# Altium PCB 1VAR_TOP.PcbDoc (part 1 of 4) (continued)
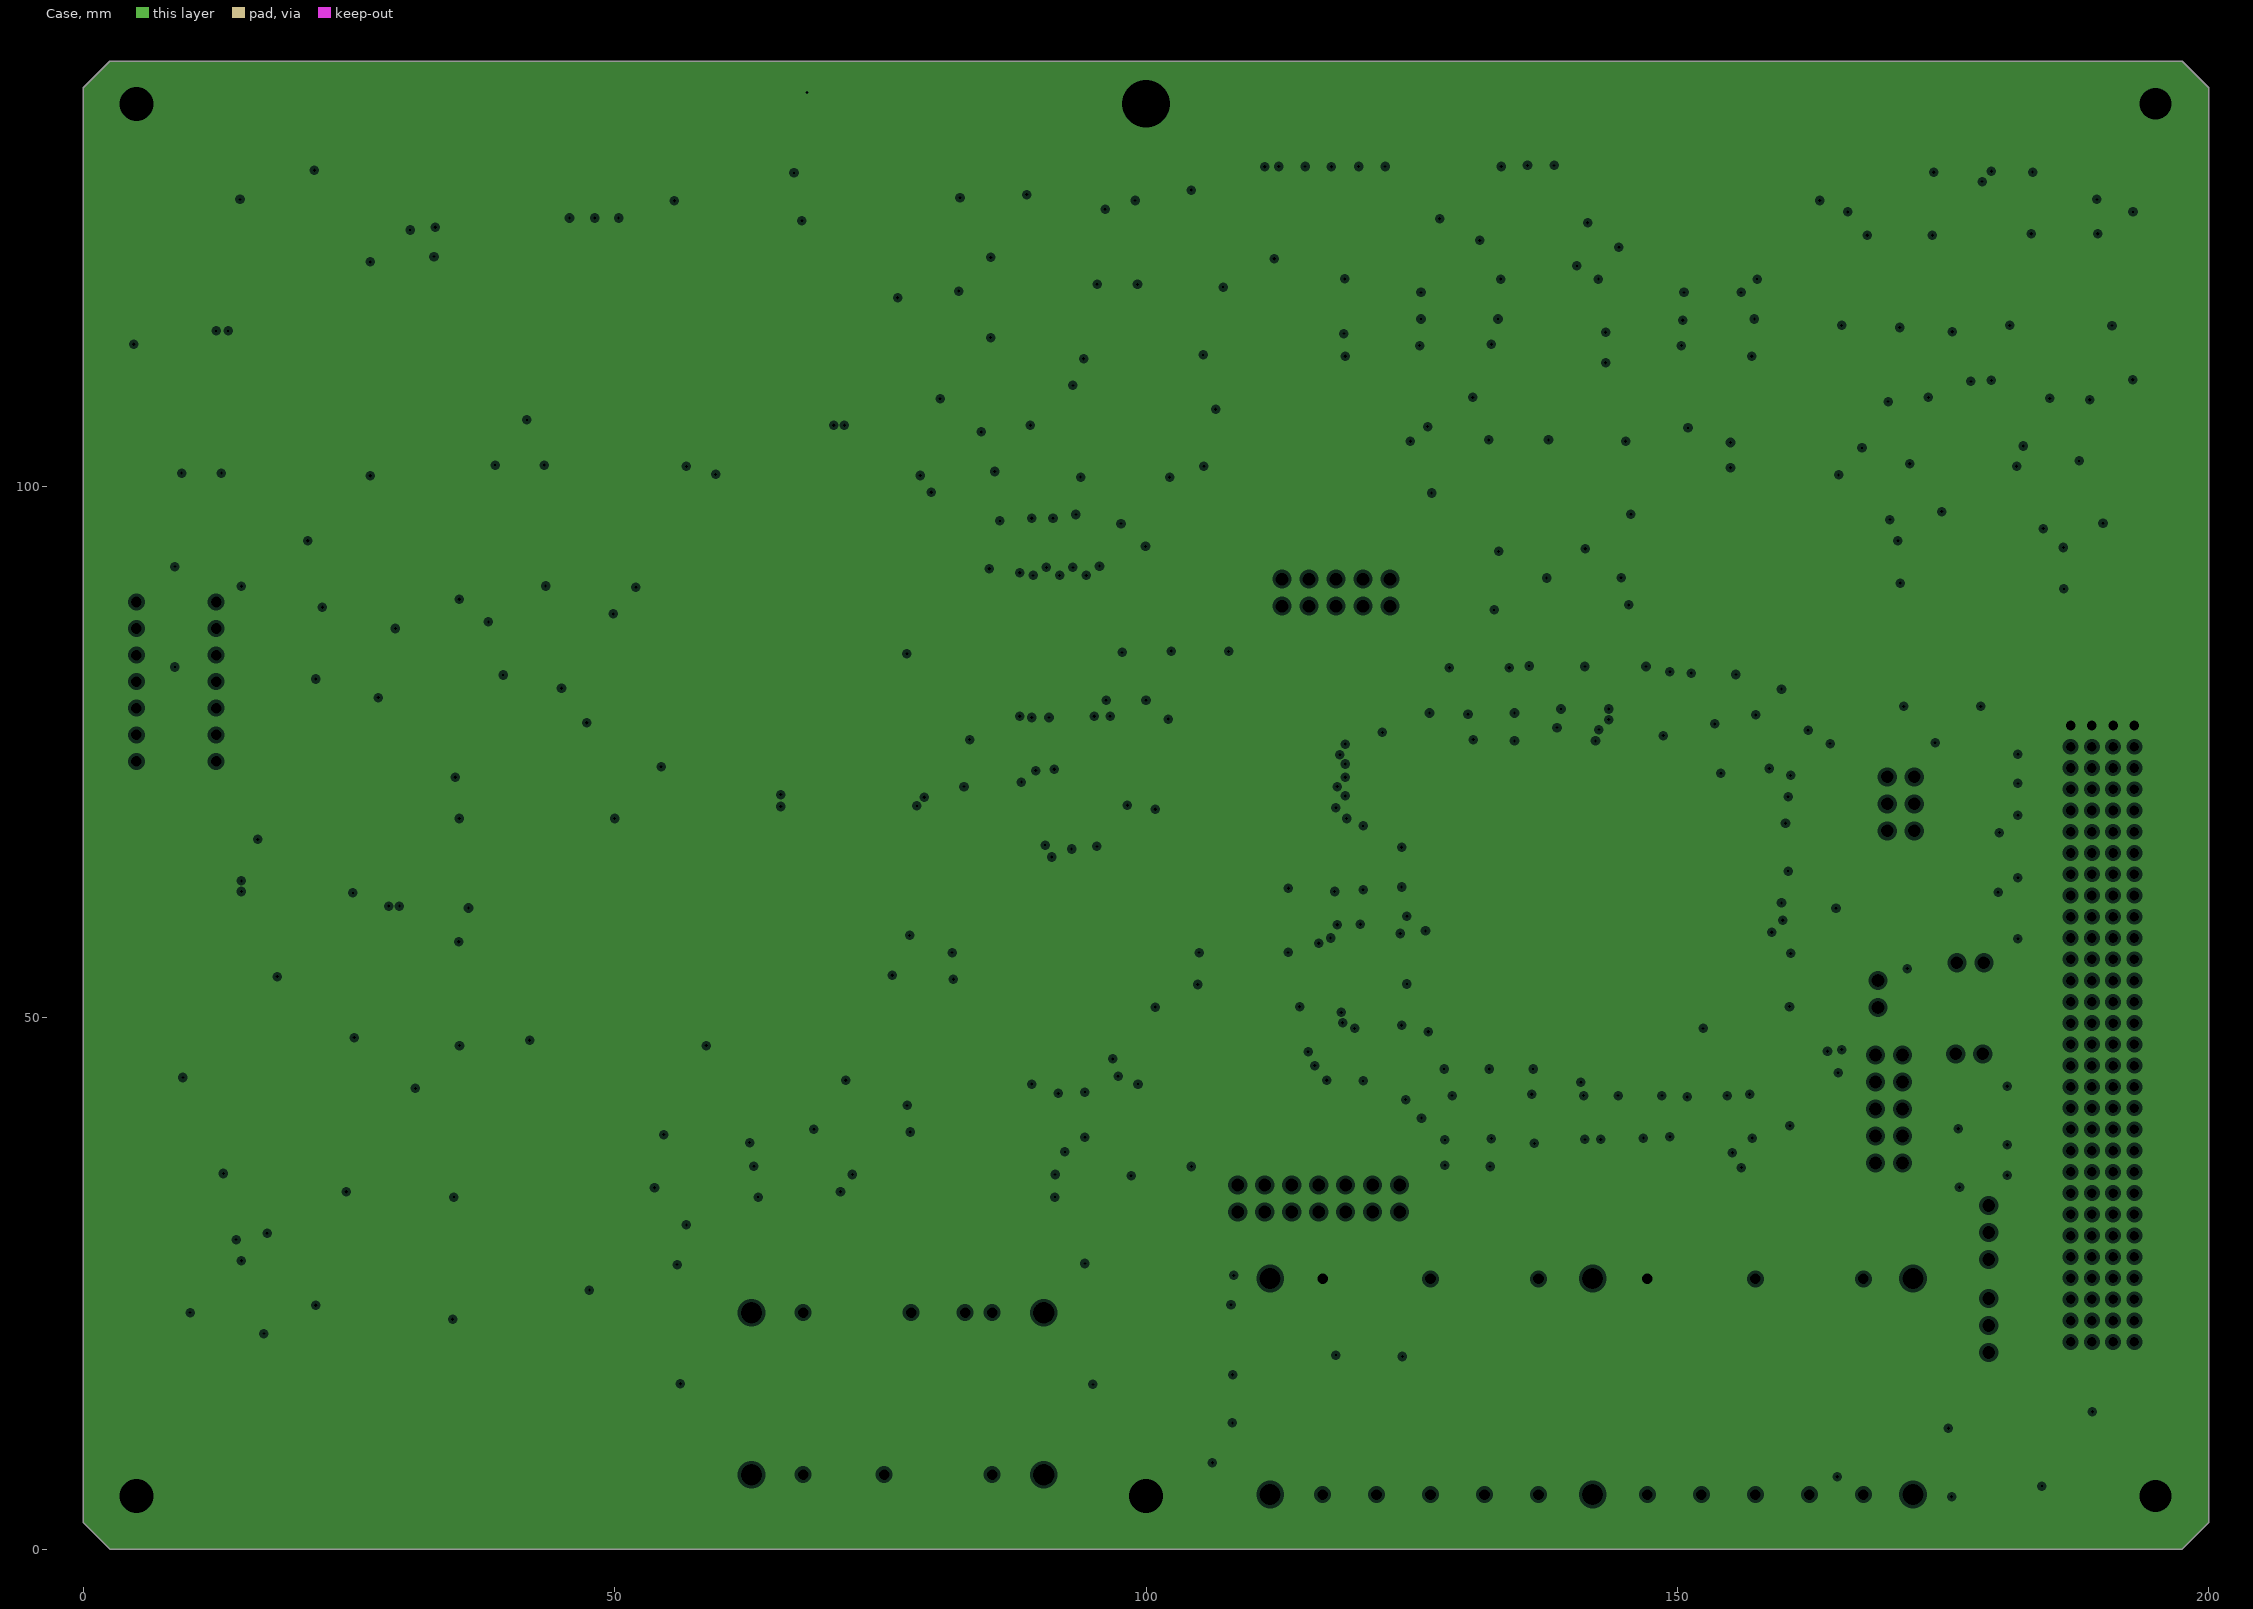
[diagram p3: Case, clearances drawn from the general rule]
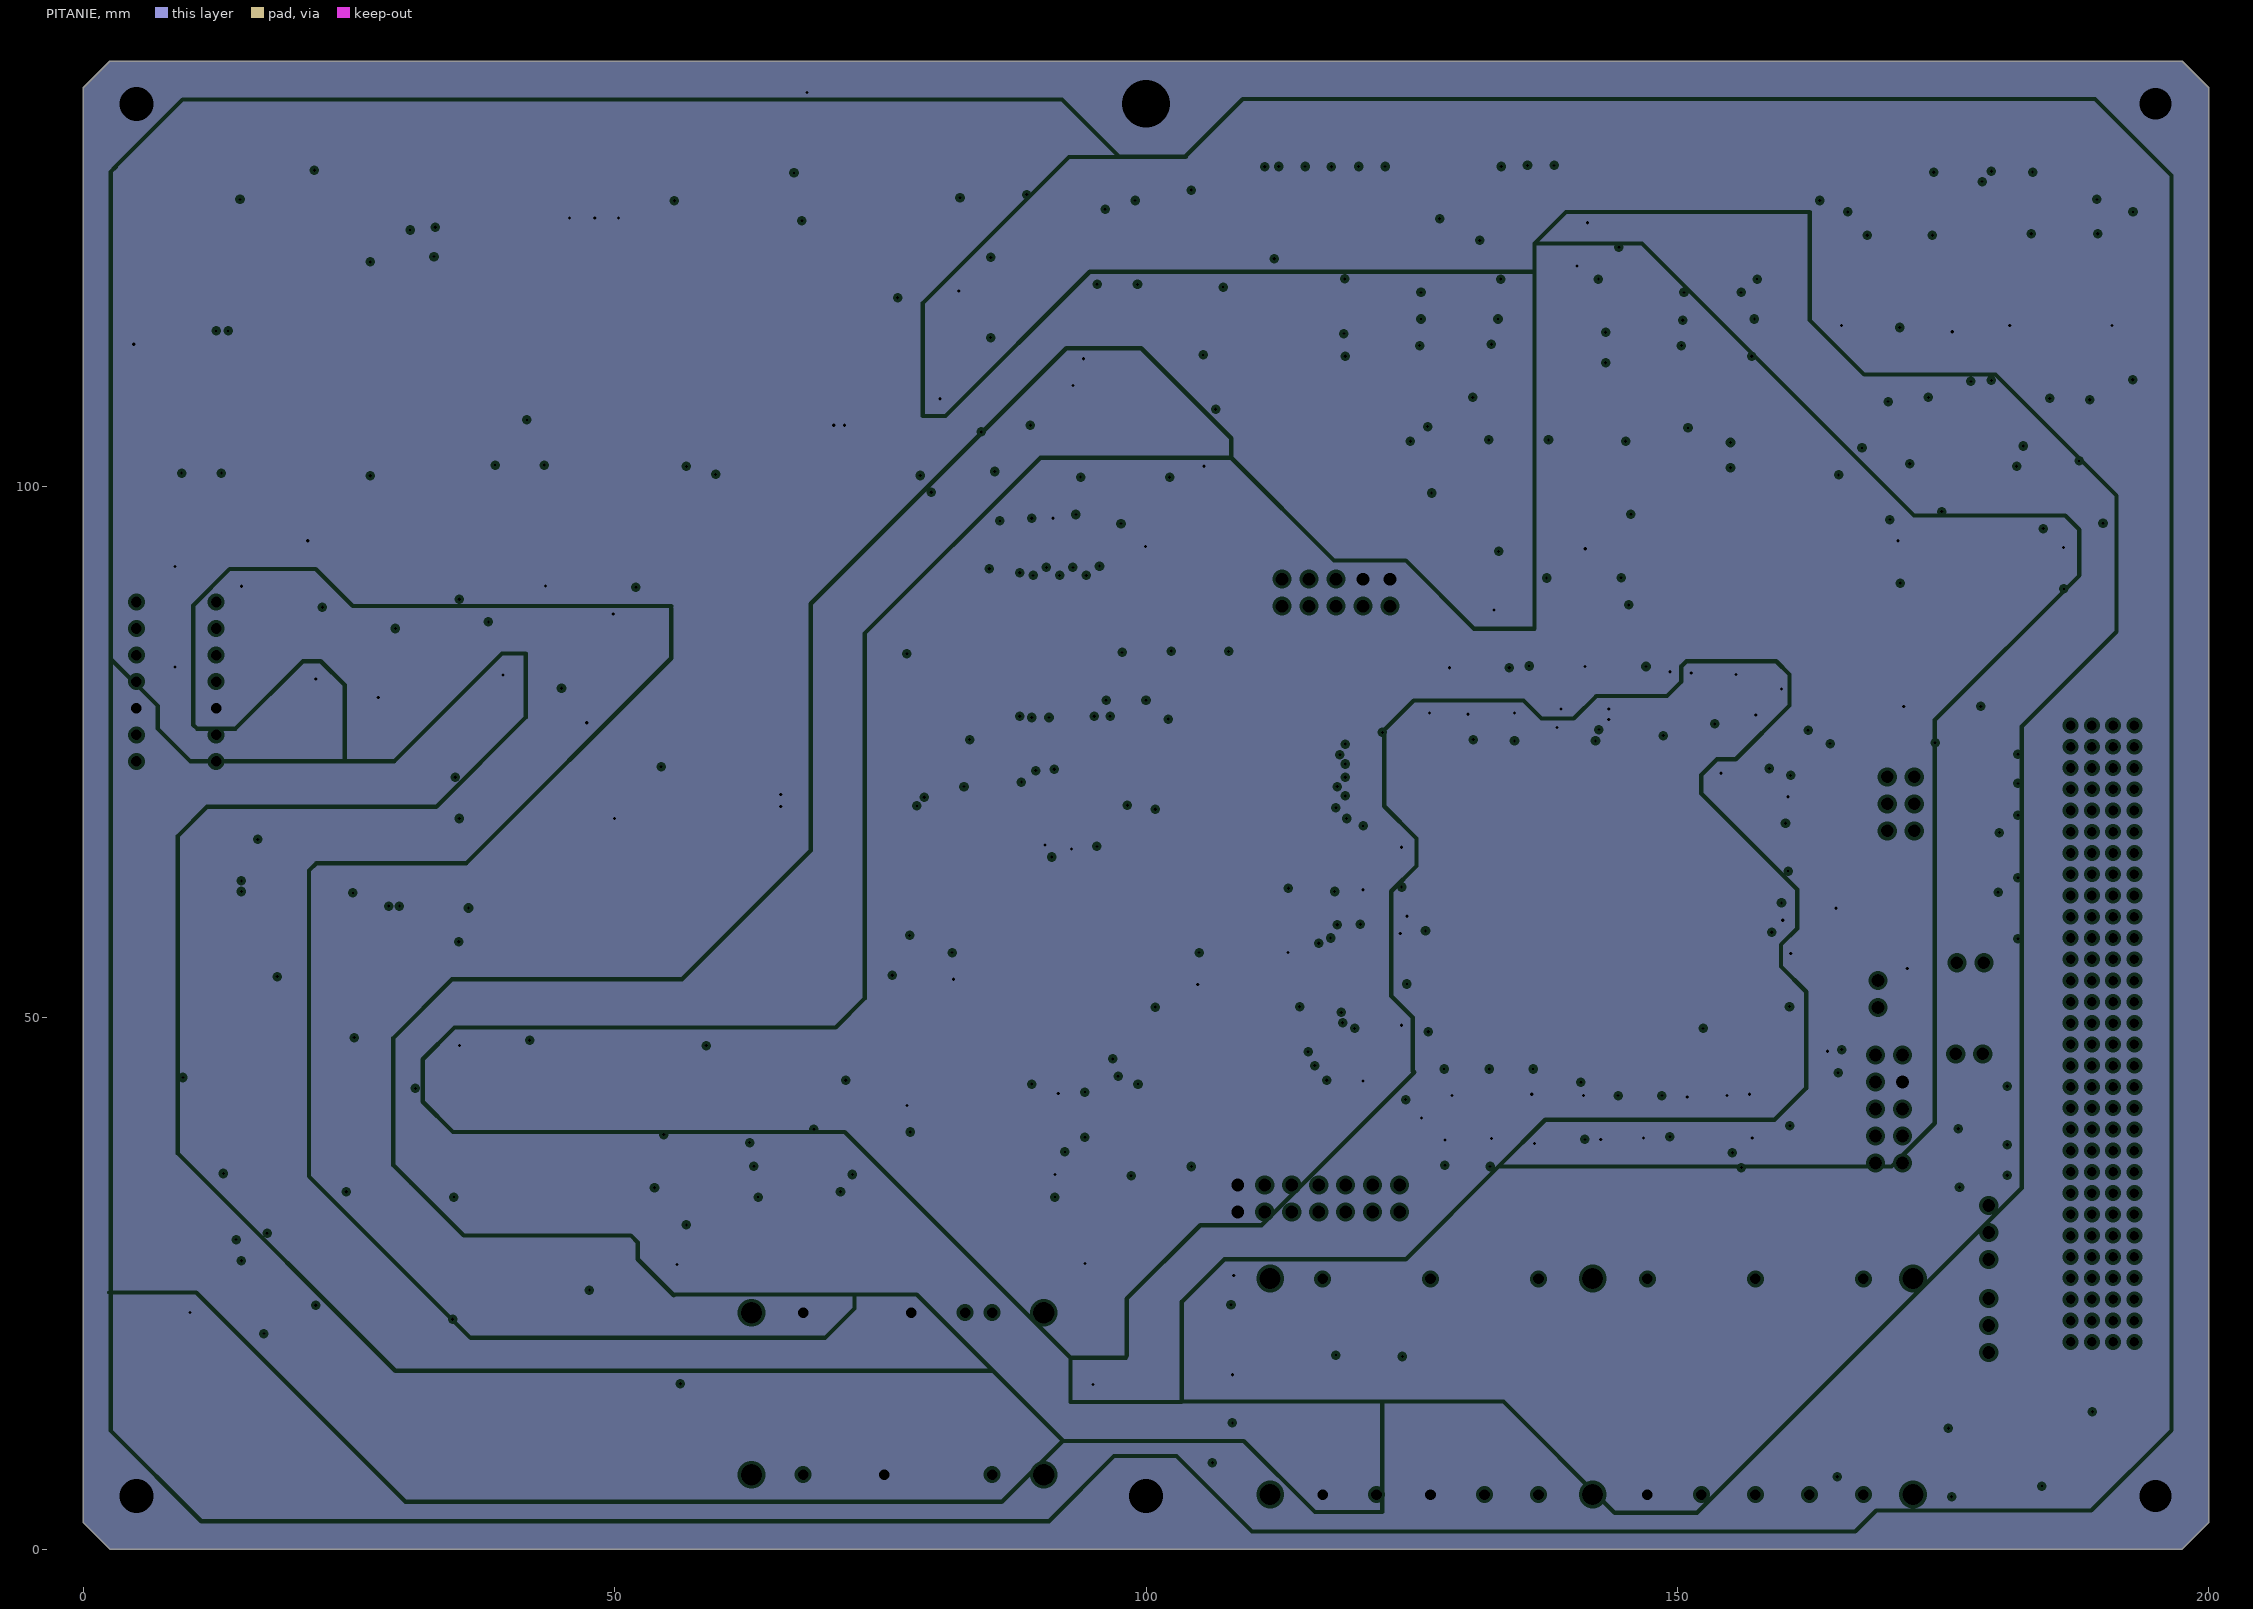
[diagram p4: PITANIE, clearances drawn from the general rule]

## Layer stack, top to bottom
Top Solder, Top Mask: solder mask 0.01, Solder Resist, Dk 3.5
Top Layer: signal copper 0.035
Dielectric 1: core 0.46, FR-4, Dk 4.2
gnd: plane copper 0.035, net (Multiple Nets)
Dielectric2: prepreg 0.37, Dk 4.2
Case: plane copper 0.21, net CASE
Dielectric 7: prepreg 0.37, Dk 4.2
PITANIE: plane copper 0.035, net (Multiple Nets)
Dielectric 6: core 0.46, FR-4, Dk 4.2
Bottom Layer: signal copper 0.035
Bottom Solder, Bot Mask: solder mask 0.01, Solder Resist, Dk 3.5

## Board outline
2.5,0 0,2.5 0,137.5 2.5,140 197.5,140 200,137.5 200,2.5 197.5,0

## Design rules (kind name [scope] priority, off if disabled: settings)
Clearance D1_D8 [(InComponent('D1') OR InComponent('D8') OR InComponent('XT1'))] p1: gap=0.2
Clearance [All] p2: gap=0.3
ComponentClearance [(InComponent('XP7') OR InComponent('XP6'))] p1: gap=-1 collisioncheckmode=3 verticalgap=0.254 showdistances=FALSE
HoleSize [All] p1: absolutevalues=TRUE maxlimit=6 minlimit=0.025 maxpercent=80.000 minpercent=20.000
MinimumSolderMaskSliver [All] p1: minsoldermaskwidth=0.1
PlaneClearance [All] p1: clearance=0.3
PlaneConnect mh [InUnion('7')] p1: planeconnectstyle=Direct reliefexpansion=0.508 reliefentries=4 reliefconductorwidth=0.254 reliefairgap=0.254
PlaneConnect PlaneConnect_1 [Isvia] p2: planeconnectstyle=Direct reliefexpansion=0.508 reliefentries=4 reliefconductorwidth=0.254 reliefairgap=0.254
PlaneConnect [All] p3: planeconnectstyle=Relief reliefexpansion=0.3 reliefentries=4 reliefconductorwidth=0.3 reliefairgap=0.3
PolygonConnect [All] p1: connectstyle=Direct reliefconductorwidth=0.254 reliefentries=4 polygonreliefangle="90 Angle" airgapwidth=0.254
RoutingTopology [All] p1: topology=Daisy_Balanced
RoutingVias [All] p1: holewidth=0.3 width=0.6 viastyle="Through Hole" minholewidth=0.29 minwidth=0.59 maxholewidth=0.3 maxwidth=0.6 useviatemplates=TRUE viatemplateguid#1={C96B0B2A-C314-4BEC-8DFE-80BAC59E6179}
SilkToSilkClearance [All] p1: silktosilkclearance=0.05
SilkToSolderMaskClearance [IsPad] p1: minsilkscreentomaskgap=0.1 clearancetoexposedcopper=TRUE
SolderMaskExpansion [All] p1: expansion=0.102
Width [All] p1: maxlimit=2 minlimit=0.2 preferedwidth=0.3
22 further rules are at their usual default settings.

## Classes and differential pairs
component class ADC: C16 C17 C18 C19 C20 C21 C22 C23 C24 C62 C63 C64 C66 C67 C70 C71 C72 C73 C74 C75 C76 C77 C78 C79 C80 C81 C82 C83 C84 C85 C86 C87 C88 C89 C90 C122 D7 D8 D9 D10 D11 D12 D13 D14 K1 N2 R26 R27 R28 R29 R30 R31 R32 R33 R34 R35 R36 R37 R38 R39 R42 R43 R44 R45 R46 R47 R48 R49 R50 R51 R52 R53 R54 R55 R56 R57 R58 R59 R60 R61 R61* R62 R63 R64 R65 R66 R67 R68 R69 R70 R71 R72 R73 R74 R75 R201 R202 R203 VD2 VT9 XP8 XP9
component class Basic: C1 C2 C3 C4 C5 C6 C7 C8 C9 C10 C11 C12 C13 C14 C15 C25 C26 C27 C28 C29 C30 C31 C32 C33 C34 C35 C36 C37 C38 C39 C40 C41 C42 C43 C44 C45 C46 C47 C48 C49 C50 C51 C52 C53 C54 C55 C56 C57 C58 C59 C60 C61 C65 C68 C69 C123 C124 D1 D2 D3 D4 D5 D6 D15 G1 N1.24 N1.25 R1 R2 R3 R4 R5 R6 R7 R8 R9 R10 R11 R12 R13 R14 R15 R16 R17 R18 R19 R20 R21 R22 R23 R24 R25 R40 R41 R170 R171 R172 R173 R204 R205 R206 R207 VD1 VT1 VT2 VT3 VT4 VT5 VT6 VT7 VT8 XP1 XP2 XP3 XP4 XP5 XP6 XP7 XT1
component class Switches: C91 C92 C93 C94 C95 C96 C97 C98 C99 D16 D17 D18 D19 D20 D21 D22 D23 D24 D25 D26 D27 D28 K2 K3 K4 N1.1 N1.2 N1.3 N1.4 N1.5 N1.6 N1.7 N1.8 N1.9 N1.10 N1.11 N1.12 N1.13 N1.14 N1.15 N1.16 N1.17 N1.18 N1.19 N1.20 N1.21 N1.22 N1.23 R76 R77 R78 R79 R80 R81 R82 R83 R84 R85 R86 R87 R88 R89 R90 R91 R92 R93 R94 R95 R96 R97 R98 R99 R100 R101 R102 R103 R104 R105 R106 R208 R209 VD3 VD4 VD5 VD6 VD7 VD8 VD9 VD10 VD11
component class TahoSens: C100 C102 C104 C106 C108 C110 C112 C114 C120 C121 D29 D30 D34 D35 D36 D37 D38 N3 R107 R108 R111 R113 R115 R116 R119 R121 R123 R124 R127 R129 R131 R132 R135 R137 R139 R140 R143 R145 R147 R148 R151 R153 R155 R156 R159 R161 R163 R164 R167 R169 R187 R188 R189 R190 R191 R192 R193 R194 R195 R196 R197 R198 R199 R200 T1 T2 VD12 VD13 VD14 VD15

## Components (designator, comment, footprint, x,y, rotation, side; value= is the part's Value field where it differs from the comment)
C1 "PartNumber" K53_56A_TYPE4 164.085,9.71 r180 bottom
C2 "PartNumber" K1047V_3 165,19 r0 bottom
C3 "PartNumber" K53_56A_TYPE2 148.675,13.8 r0 bottom
C4 "PartNumber" K1017V_5 149.175,9.05 r180 bottom
C5 "PartNumber" K1047V_1 152.3,18.55 r180 bottom
C6 "PartNumber" K1047V_1 152.175,23.925 r0 bottom
C7 "PartNumber" K53_56A_TYPE2 100.9,24.275 r270 bottom
C8 "PartNumber" K1017V_5 105.5,25 r90 bottom
C9 "PartNumber" K53_56A_TYPE2 97.025,24.275 r270 bottom
C10 "PartNumber" K53_56A_TYPE2 100.775,14.025 r270 bottom
C11 "PartNumber" K1017V_5 105.375,13.625 r90 bottom
C12 "PartNumber" K53_56A_TYPE2 96.9,14.025 r270 bottom
C13 "PartNumber" K1017V_5 136.05,53.8 r270 bottom
C14 "PartNumber" K1017V_6 143.55,69.675 r0 bottom
C15 "PartNumber" K1017V_5 156.1,70.55 r180 bottom
C16 "PartNumber" K53_56A_TYPE2 114.625,38 r0 top
C17 "PartNumber" K1017V_4 115,38.125 r180 bottom
C18 "PartNumber" K1017V_4 102.625,113.25 r180 bottom
C19 "PartNumber" K1017V_4 77.8,110.875 r270 bottom
C20 "PartNumber" K1017V_4 82.375,121.5 r0 bottom
C21 "PartNumber" K1017V_4 31.5,27.375 r180 top
C22 "PartNumber" K1017V_4 89.875,99.125 r0 top
C23 "PartNumber" K53_56A_TYPE2 90.5,99.125 r180 bottom
C24 "PartNumber" K1017V_4 8.15,28.05 r90 top
C25 "PartNumber" K1017V_4 162.925,56.675 r90 bottom
C26 "PartNumber" K1017V_4 155.425,78.925 r90 bottom
C27 "PartNumber" K1017V_4 151.8,78.925 r90 bottom
C28 "PartNumber" K1017V_4 145.3,77.3 r90 bottom
C29 "PartNumber" K1017V_4 144.8,83.05 r180 bottom
C30 "PartNumber" K1017V_4 136.8,77.3 r90 bottom
C31 "PartNumber" K1017V_4 132.925,77.3 r90 bottom
C32 "PartNumber" K1017V_4 128.8,77.3 r90 bottom
C33 "PartNumber" K1017V_4 121.425,60.3 r0 bottom
C34 "PartNumber" K1017V_4 125.05,56.425 r180 bottom
C35 "PartNumber" K1017V_4 130.425,43.925 r270 bottom
C36 "PartNumber" K1017V_4 134.25,37.375 r90 bottom
C37 "PartNumber" K1017V_4 134.55,43.925 r270 bottom
C38 "PartNumber" K1017V_4 139.175,43.925 r270 bottom
C39 "PartNumber" K1017V_4 150.925,40.05 r90 bottom
C40 "PartNumber" K1017V_4 154.675,40.05 r90 bottom
C41 "PartNumber" K1017V_4 162.3,48.8 r0 bottom
C42 "PartNumber" K1017V_4 158.925,54.425 r90 bottom
C43 "PartNumber" K1017V_4 162.925,62.55 r270 bottom
C44 "PartNumber" K1017V_4 162.425,69.55 r90 bottom
C45 "PartNumber" K1017V_4 148.55,78.925 r90 bottom
C46 "PartNumber" K1017V_4 138.425,83.05 r0 bottom
C47 "PartNumber" K1017V_4 140.675,77.3 r90 bottom
C48 "PartNumber" K1017V_4 131.55,82.925 r180 bottom
C49 "PartNumber" K1017V_4 122.8,68.05 r0 bottom
C50 "PartNumber" K1017V_4 122.8,64.175 r180 bottom
C51 "PartNumber" K1017V_4 122.175,50.55 r270 bottom
C52 "PartNumber" K1017V_4 138.55,37.425 r90 bottom
C53 "PartNumber" K1017V_4 142.925,41.425 r270 bottom
C54 "PartNumber" K1017V_4 146.55,41.425 r270 bottom
C55 "PartNumber" K1017V_4 160.525,38.15 r180 bottom
C56 "PartNumber" K1017V_4 162.3,79.55 r90 bottom
C57 "PartNumber" K1017V_4 158.875,77.75 r90 bottom
C58 "PartNumber" K1017V_4 125.05,77.425 r90 bottom
C59 "PartNumber" K1017V_4 126.55,43.925 r270 bottom
C60 "PartNumber" K1017V_4 129.75,37.375 r90 bottom
C61 "PartNumber" K1017V_4 160.45,41.85 r180 bottom
C62 "PartNumber" K1017V_4 121.65,94.925 r0 bottom
C63 "PartNumber" K1017V_4 13.375,20.25 r0 top
C64 "PartNumber" K1017V_4 101.375,122.75 r180 top
C65 "PartNumber" K1047V_3 83.875,14.875 r0 bottom
C66 "PartNumber" K1017V_4 83.125,122.125 r270 top
C67 "PartNumber" K1017V_4 82.875,106.375 r270 top
C68 "PartNumber" K1017V_5 73,24.125 r0 bottom
C69 "PartNumber" K1017V_5 69.75,17.625 r180 bottom
C70 "PartNumber" K1017V_4 102.75,93 r90 bottom
C71 "PartNumber" K1017V_4 40.75,26.125 r90 top
C72 "PartNumber" K1017V_4 79.812,40.5 r90 top
C73 "PartNumber" K53_56A_TYPE2 75.313,40.125 r270 top
C74 "PartNumber" K1017V_4 52,26.875 r180 bottom
C75 "PartNumber" K1017V_4 93,44.5 r0 bottom
C76 "PartNumber" K1017V_4 107,54.875 r90 bottom
C77 "PartNumber" K53_56A_TYPE2 93.375,40.75 r0 bottom
C78 "PartNumber" K1017V_4 88.35,66 r270 bottom
C79 "PartNumber" K53_56A_TYPE2 79.125,54.625 r90 bottom
C80 "PartNumber" K1017V_4 83.625,54.875 r90 bottom
C81 "PartNumber" K53_56A_TYPE2 102.625,54.625 r90 bottom
C82 "PartNumber" K1017V_4 94.125,68.25 r0 bottom
C83 "PartNumber" K53_56A_TYPE2 94.5,64 r0 bottom
C84 "PartNumber" K1017V_5 117.625,9.25 r180 bottom
C85 "PartNumber" K53_56A_TYPE3 118.125,14.875 r0 bottom
C86 "PartNumber" K1047V_3 134.5,19.125 r0 bottom
C87 "PartNumber" K1017V_5 126.525,9.275 r180 bottom
C88 "PartNumber" K53_56A_TYPE3 136.525,9.275 r180 bottom
C89 "PartNumber" K1017V_4 95.375,121.375 r180 bottom
C90 "PartNumber" K1017V_4 20.625,20.25 r0 top
C91 "PartNumber" K1017V_4 40.75,90.625 r0 top
C92 "PartNumber" K1017V_5 50,73 r90 top
C93 "PartNumber" K1017V_4 20.625,84.125 r0 bottom
C94 "PartNumber" K1017V_5 19.75,78.875 r180 bottom
C95 "PartNumber" K1017V_1 8.625,80.25 r270 bottom
C96 "PartNumber" K1017V_1 27.825,89.6 r90 top
C97 "PartNumber" K1017V_4 8.625,96.25 r90 bottom
C98 "PartNumber" K1017V_1 8.625,85.75 r90 bottom
C99 "PartNumber" K1017V_1 64.65,85.05 r90 top
C100 "PartNumber" K1017V_5 174,92.875 r90 bottom
C102 "PartNumber" K1017V_5 174,118.375 r270 bottom
C104 "PartNumber" K1017V_5 167.125,92.875 r90 bottom
C106 "PartNumber" K1017V_5 168,118.375 r270 bottom
C108 "PartNumber" K1017V_5 189.425,92.275 r90 bottom
C110 "PartNumber" K1017V_5 189.55,119.4 r270 bottom
C112 "PartNumber" K1017V_5 183.05,92.275 r90 bottom
C114 "PartNumber" K1017V_5 183.175,119.275 r270 bottom
C120 "PartNumber" K1017V_4 141.75,122.55 r180 bottom
C121 "PartNumber" K1017V_4 114.55,121.4 r0 bottom
C122 "PartNumber" K1017V_4 91.875,105.75 r0 top
C123 "PartNumber" K53_56A_TYPE3 75.375,28.75 r180 top
C124 "PartNumber" K53_56A_TYPE3 70.125,11.625 r0 bottom
D1 "PartNumber" 5576XC7TFANCORT 142.3,60.55 r180 top
D2 "PartNumber" SMSA2805S 157.335,15.275 r0 top
D3 "249KP22R" 2101_8_7M 183.05,8.425 r270 top
D4 "PartNumber" 1325_KT_93 101.125,25.125 r90 top
D5 "PartNumber" 1325_KT_93 101.05,14.525 r90 top
D6 "1564TL2" 401_14_5М 148.675,51.925 r180 bottom
D7 "PartNumber" H04_16_1B 89.75,113.5 r0 bottom
D8 "PartNumber" 4235_88_1_275 93.25,54.5 r90 top
D9 "PartNumber" H04_16_1B 18.875,27.625 r0 top
D10 "PartNumber" H14_42_1B 90.75,85.375 r270 top
D11 "PartNumber" H04_16_1B 89.375,113.5 r0 top
D12 "PartNumber" H04_16_1B 51.75,25.875 r0 top
D13 "PartNumber" SMSA2805S 126.775,15.275 r0 top
D14 "PartNumber" 4153_20_06 91.25,84.875 r90 bottom
D15 "PartNumber" SLH2800S 76.625,14.625 r180 top
D16 "PartNumber" H04_16_1B 43.875,83.25 r0 top
D17 "PartNumber" 401_14_5М 41.25,83.5 r180 bottom
D18 "PartNumber" 201_14_10 8.75,81.625 r180 top
D19 "PartNumber" KT107 43.375,108.25 r90 top
D20 "PartNumber" KT107 59.5,108.125 r90 top
D21 "PartNumber" 401_14_5М 40,108.75 r0 bottom
D22 "PartNumber" KT107 9.25,108.25 r90 top
D23 "PartNumber" KT107 27,108.25 r90 top
D24 "PartNumber" KT107 58.5,54.625 r90 top
D25 "PartNumber" KT107 42,54.625 r90 top
D26 "PartNumber" 401_14_5М 33.75,57 r270 bottom
D27 "PartNumber" KT107 25.5,54.75 r90 top
D28 "PartNumber" KT107 9.375,51 r90 top
D29 "PartNumber" 1NT251A 171.125,105.5 r270 top
D30 "PartNumber" 1NT251A 186.3,104.9 r270 top
D34 "PartNumber" 401_14_5М 141.375,91.375 r0 bottom
D35 "PartNumber" 2DS627A 129.5,115 r180 bottom
D36 "PartNumber" 1NT251A 129.25,103 r180 bottom
D37 "PartNumber" 2DS627A 153.5,115 r180 bottom
D38 "PartNumber" 1NT251A 153.5,103 r180 bottom
G1 "GK108-P-3" GK108P 154.55,62.8 r90 bottom
K1 "K" K#1 49.2,17.6 r0 top
K2 "K" K#1 65.95,137.05 r90 top
K3 "K" K#1 70.4,137.075 r90 top
K4 "K" K#1 189.625,137 r90 top
N1.1 "K" K#1 12.4,135.05 r90 top
N1.2 "K" K#2 48.125,125.5 r90 top
N1.3 "K" K#1 9.225,127.15 r90 top
N1.4 "K" K#3 12.125,127 r90 top
N1.5 "K" K#4 33.125,127.125 r90 top
N1.6 "K" K#5 40.75,127.5 r90 top
N1.7 "K" K#5 43.375,127.5 r90 top
N1.8 "K" K#6 27,126.875 r90 top
N1.9 "K" K#6 24.125,126.875 r90 top
N1.10 "K" K#4 30.875,127.125 r90 top
N1.11 "K" K#7 50.375,123.125 r90 top
N1.12 "K" K#8 57,126.25 r90 top
N1.13 "K" K#8 59.375,126.25 r90 top
N1.14 "K" K#1 25.5,74 r90 top
N1.15 "K" K#1 22.625,74 r90 top
N1.16 "K" K#4 30.75,122 r90 bottom
N1.17 "K" K#1 56,73.75 r90 top
N1.18 "K" K#1 58.5,73.625 r90 top
N1.19 "K" K#9 45.75,125.875 r90 top
N1.20 "K" K#1 13.25,69.625 r90 top
N1.21 "K" K#1 16.375,69.625 r90 top
N1.22 "K" K#1 39.5,72.625 r90 top
N1.23 "K" K#1 36.875,72.625 r90 top
N1.24 "K" K#2 65.625,127.375 r90 bottom
N1.25 "K" K#10 65.625,132 r90 bottom
N2 "PartNumber" KOL26 90.25,127.5 r0 top locked
N3 "PartNumber" KOL44 159.025,135.15 r0 top
R1 "PartNumber" R1_112_W125 171.6,52.05 r270 bottom
R2 "PartNumber" R1_112_W125 179.3,42.425 r90 top
R3 "PartNumber" R1_112_W125 176.425,42.425 r90 top
R4 "PartNumber" R1_112_W125 176.55,37.05 r270 top
R5 "PartNumber" R1_112_W125 179.3,37.05 r270 top
R6 "PartNumber" R1_112_W125 169.675,78.3 r270 bottom
R7 "PartNumber" R1_112_W125 179.225,76.8 r270 bottom
R8 "PartNumber" R1_112_W125 176.425,76.8 r270 bottom
R9 "PartNumber" R1_112_W125 175.9,70.15 r90 bottom
R10 "PartNumber" R1_112_W125 179.05,70.175 r90 bottom
R11 "PartNumber" R1_112_W125 183.55,8.55 r90 bottom
R12 "PartNumber" R1_112_W125 186.675,8.55 r90 bottom
R13 "PartNumber" R1_112_W125 192.175,10.55 r0 bottom
R14 "PartNumber" R1_112_W125 192.175,10.925 r0 top
R15 "PartNumber" R1_112_W125 173.05,78.3 r90 top
R16 "PartNumber" R1_112_W125 169.55,78.3 r90 top
R17 "PartNumber" R1_112_W125 170.3,83.25 r0 top
R18 "PartNumber" R1_112_W125 144.55,64.55 r180 bottom
R19 "PartNumber" R1_112_W125 169.975,60.375 r0 top
R20 "PartNumber" R1_112_W125 179.05,59.55 r270 bottom
R21 "PartNumber" R1_112_W125 175.925,59.55 r270 bottom
R22 "PartNumber" R1_112_W125 170.025,63.625 r0 top
R23 "PartNumber" R1_112_W125 179.05,64.925 r270 bottom
R24 "PartNumber" R1_112_W125 175.925,64.925 r270 bottom
R25 "PartNumber" R1_112_W125 169.925,57.2 r0 top
R26 "PartNumber" R1_8MP_0W125 101.5,109.625 r270 bottom
R27 "PartNumber" R1_8MP_0W125 105,107.625 r90 bottom
R28 "PartNumber" R1_8MP_0W125 96.875,105.375 r90 bottom
R29 "PartNumber" R1_8MP_0W125 109.125,111.625 r270 bottom
R30 "PartNumber" R1_8MP_0W125 78.575,116.425 r180 bottom
R31 "PartNumber" R1_112_W125 89.5,36.25 r270 top
R32 "PartNumber" R1_112_W125 100.5,34.075 r270 top
R33 "PartNumber" R1_112_W125 104.275,34 r270 top
R34 "PartNumber" R1_8MP_0W125 101.375,118.75 r270 bottom
R35 "PartNumber" R1_8MP_0W125 90.625,105.375 r0 bottom
R36 "PartNumber" R1_8MP_0W125 104.75,116.75 r90 bottom
R37 "PartNumber" R1_8MP_0W125 29.75,31.125 r90 top
R38 "PartNumber" R1_8MP_0W125 37,33.125 r270 top
R39 "PartNumber" R1_8MP_0W125 24.75,35.25 r0 top
R40 "PartNumber" R1_112_W125 107.25,6.25 r0 top
R41 "PartNumber" R1_112_W125 71.355,5.88 r270 bottom
R42 "PartNumber" R1_8MP_0W125 33.125,33.125 r270 top
R43 "PartNumber" R1_8MP_0W125 4.4,26.875 r90 top
R44 "PartNumber" R1_8MP_0W125 32.175,23.825 r180 top
R45 "PartNumber" R1_8MP_0W125 18.75,35.25 r0 top
R46 "PartNumber" R1_8MP_0W125 30.225,20.6 r0 top
R47 "PartNumber" R1_112_W125 96.5,99.95 r90 top
R48 "PartNumber" R1_8MP_0W125 102.375,115.625 r180 top
R49 "PartNumber" R1_8MP_0W125 100.375,119 r0 top
R50 "PartNumber" R1_112_W125 110.35,84.525 r180 top
R51 "PartNumber" R1_112_W125 107.975,92.625 r90 bottom
R52 "PartNumber" R1_112_W125 111.05,96.725 r90 bottom
R53 "PartNumber" R1_8MP_0W125 95.5,123.375 r270 top
R54 "PartNumber" R1_8MP_0W125 102.25,112.375 r180 top
R55 "PartNumber" R1_8MP_0W125 87.25,123.5 r270 top
R56 "PartNumber" R1_8MP_0W125 102.25,109 r180 top
R57 "PartNumber" R1_8MP_0W125 91.5,121.375 r90 top
R58 "PartNumber" R1_8MP_0W125 100.25,105.625 r0 top
R59 "PartNumber" R1_112_W125 93.25,34.125 r90 top